# Altium PCB PiMX8MPIO_r0.1.PcbDoc (part 3 of 5)
Units mm, origin at the board's own origin, x right, y up, seen from the top; angles counter-clockwise.
Board outline 55 x 40 mm, 8 copper layers (L1 Top, L2 GND, L3 SIG, L4 GND, L5 (PWR), L6 SIG, L7 GND, L8 SIG), stack 1.624 mm thick; 131 components, 147 nets, 777 pads, 700 vias.
Unrouted connection lines stored in the file: 1.
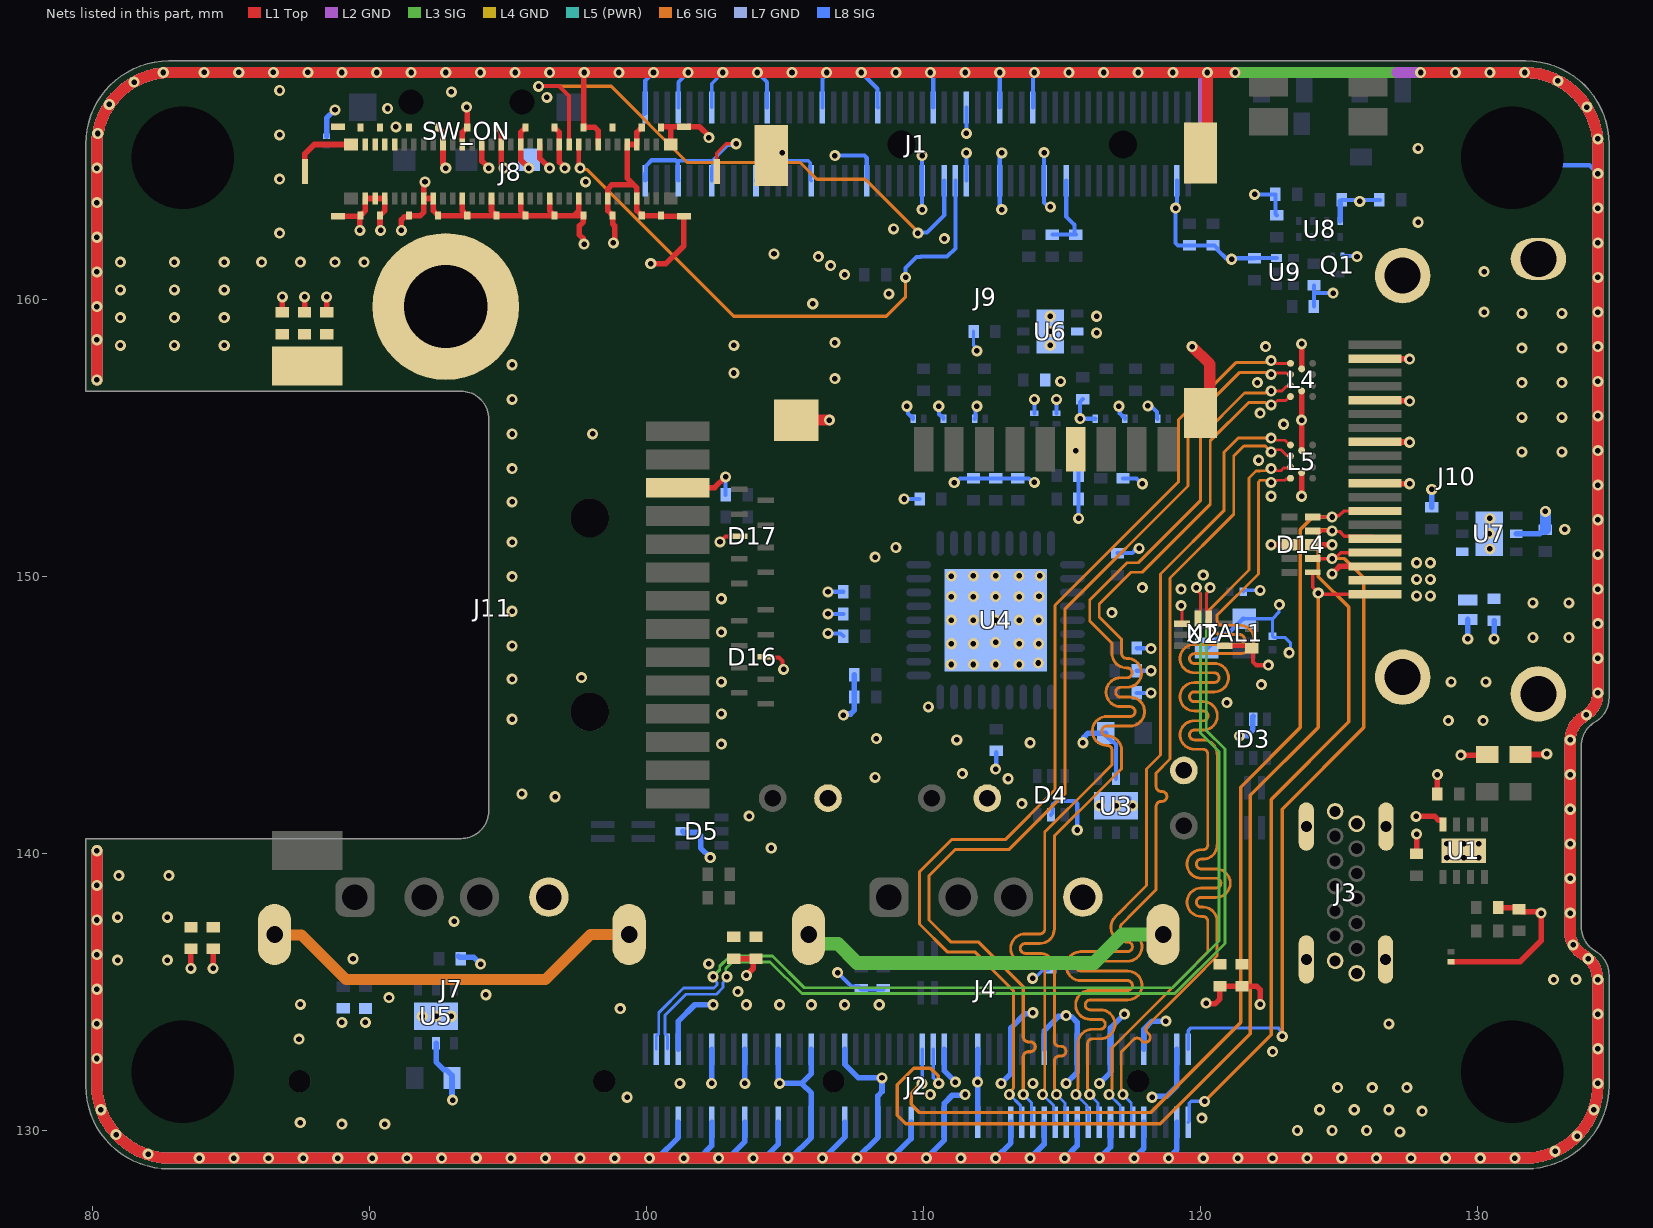
[diagram p9: the nets of this part, all layers, seen from the top]

## Via types
v1: diameter 0.4, hole 0.2, L1 Top to L8 SIG, tented both sides, 700 vias

## Nets (pads, with @x,y where several pads share a name; then routed paths per layer and width w, separated by ;. In a path a pad name is that pad's centre, name@x,y a point inside that pad or via, vN(x,y) a via of type N, cw(c..) or ccw(c..) an arc to the next point about the centre after c; other vN are vias at no path point) (continued)
GND: C1.2 C2.2 C3.2 C4.2 C5.2 C6.2 C7.2 C8.2 C9.2 C10.2 C11.2 C12.2 C13.2 C14.2 C15.2 C16.2 C17.2 C18.2 C19.2 C20.2 C21.2 C22.2 C23.2 C24.2 C25.2 C26.2 C27.2 C28.2 C29.2 C30.2 C31.2 C32.2 C33.2 C34.2 C35.2 C36.2 C37.2 C38.2 C39.2 C40.2 C41.2 C42.2 D1.2 D2.2 D3.5 D4.2 D5.2 D6.2 D7.2 D8.2 D9.2 D10.2 D11.2 D12.2 D13.2 D14.3 D14.8 D15.2 D16.3 D17.3 H1.MT H2.MT H3.MT H4.MT H5.MT J1.1 J1.2 J1.7 J1.8 J1.13 J1.14 J1.22 J1.23 J1.32 J1.33 J1.42 J1.43 J1.52 J1.53 J1.59 J1.60 J1.65 J1.66 J1.71 J1.74 J1.98 J2.7 J2.8 J2.13 J2.14 J2.19 J2.20 J2.25 J2.26 J2.31 J2.32 J2.37 J2.38 J2.44 J2.50 J2.55 J2.56 J2.61 J2.62 J2.67 J2.68 J2.73 J2.74 J2.79 J2.80 J2.85 J2.86 J2.91 J2.92 J2.97 J2.98 J3.A1 J3.A12 J3.B1 J3.B12 J4.4 J7.4 J8.5 J8.6 J8.8 J8.11 J8.14 J8.17 J8.22 J8.23 J8.26 J8.29 J8.30 J8.34 J8.35 J8.38 J8.41 J8.42 J8.46 J8.47 J8.49 J8.56 J8.57 J8.58 J8.59 J8.60 J8.61 J8.62 J8.P2 J8.P4 J8.SHD J9.6 J9.10 J9.11 J9.12 J9.13 J10.2 J10.5 J10.8 J10.11 J10.17 J10.SHD J11.12 L4.B1 L4.B2 L5.B1 L5.B2 Q1.2 R6.1 R7.1 R10.1 R11.1 R12.2 R13.1 R14.2 R15.1 R16.2 R17.1 R18.1 R19.1 R20.1 R21.1 R22.1 R23.1 R25.2 R27.1 R33.1 R35.1 SW_ON.3 U1.8 U1.9 U2.3 U2.8 U3.5 U3.7 U4.37 U5.5 U5.7 U6.5 U6.7 U7.5 U7.7 U8.4 U9.3 XTAL1.2 XTAL1.4 | length 1599.7
  L1 Top w0.12: J8.SHD@102.535,164.621 102.535,165.281 102.876,165.623 v1(103.229,165.623) ; v1(119.3,148.946) 119.332,148.914 U2.3@119.332,148.296
  L1 Top w0.15: v1(102.65,151.246) 102.653,151.246 102.853,151.446 D17.3@103.35,151.446 ; D16.3@104.3,147.096 104.325,147.071 104.775,147.071 104.902,146.944 104.902,146.694 v1(104.95,146.646) ; U2.8@120.868,147.496 121.755,147.496 121.9,147.351 121.9,146.909 122.013,146.796 v1(122.45,146.796)
  L1 Top w0.2: v1(83.55,135.846) C18.2@83.55,136.551 ; v1(84.35,135.846) R25.2@84.35,136.551 ; C40.2@86.8,159.529 86.85,159.579 v1(86.85,160.096) ; C42.2@87.65,159.541 v1(87.65,160.096) ; J8.SHD@87.665,164.621 87.665,165.261 88,165.596 J8.P4@89.325,165.596 ; C41.2@88.45,159.541 v1(88.45,160.096) ; J8.SHD@88.855,163.006 89.615,163.006 J8.SHD@89.647,162.974 ; v1(89.647,162.492) J8.SHD@89.647,162.974 ; v1(90.4,162.496) 90.375,162.521 90.375,163.061 90.385,163.071 90.415,163.071 90.55,163.206 J8.57@90.55,163.646 J8.59@90.2,163.646 J8.61@89.85,163.646 89.85,163.206 89.715,163.071 89.685,163.071 89.675,163.061 J8.SHD@89.675,163.031 89.675,163.001 J8.SHD@89.647,162.974 ; v1(91.15,162.496) 91.15,162.874 91.267,162.991 91.415,162.991 91.425,163.001 J8.SHD@91.425,163.031 91.833,163.031 91.95,163.149 J8.49@91.95,163.646 ; v1(92,164.246) 92,164.192 91.95,164.142 J8.49@91.95,163.646 ; J8.SHD@92.475,166.211 92.475,166.181 92.485,166.171 92.515,166.171 92.65,166.036 92.65,164.901 92.75,164.801 v1(92.75,164.746) ; J8.41@93.35,163.646 93.35,163.206 93.485,163.071 93.515,163.071 93.525,163.061 J8.SHD@93.525,163.031 ; J8.42@93.35,165.596 93.35,166.036 93.485,166.171 93.515,166.171 93.525,166.181 J8.SHD@93.525,166.211 93.525,166.921 v1(93.5,166.946) ; J8.38@94.05,165.596 94.05,164.996 v1(94.3,164.746) ; J8.35@94.4,163.646 94.4,163.206 94.535,163.071 94.565,163.071 94.575,163.061 J8.SHD@94.575,163.031 ; J8.SHD@94.575,166.211 94.575,166.181 94.585,166.171 94.615,166.171 94.75,166.036 J8.34@94.75,165.596 94.75,164.901 94.85,164.801 v1(94.85,164.746) ; J8.29@95.45,163.646 95.45,163.206 95.585,163.071 95.615,163.071 95.625,163.061 J8.SHD@95.625,163.031 ; J8.SHD@95.625,166.211 95.625,166.181 95.615,166.171 95.585,166.171 95.45,166.036 95.45,165.046 v1(95.75,164.746) ; J8.26@96.15,165.596 96.15,165.096 v1(96.5,164.746) ; J8.23@96.5,163.646 96.5,163.206 96.635,163.071 96.665,163.071 96.675,163.061 J8.SHD@96.675,163.031 ; J8.SHD@96.675,166.211 96.675,166.181 96.685,166.171 96.715,166.171 96.85,166.036 J8.22@96.85,165.596 96.85,164.964 97.05,164.764 v1(97.05,164.746) ; J8.17@97.55,163.646 97.55,163.196 97.385,163.031 ; v1(97.744,161.996) 97.705,162.035 97.705,162.204 97.575,162.335 97.575,162.658 97.715,162.798 97.715,163.021 J8.SHD@97.725,163.031 97.385,163.031 ; v1(97.75,168.196) 97.725,168.171 J8.SHD@97.725,166.211 98.133,166.211 98.25,166.094 J8.14@98.25,165.596 ; v1(98.8,162.046) 98.8,162.101 98.845,162.145 98.845,162.658 98.775,162.727 J8.SHD@98.775,163.031 98.775,163.061 98.765,163.071 98.735,163.071 98.6,163.206 J8.11@98.6,163.646 98.6,163.996 98.75,164.146 99.533,164.146 ; J8.SHD@99.825,166.211 99.825,166.181 99.815,166.171 99.785,166.171 99.65,166.036 J8.6@99.65,165.596 J8.8@99.3,165.596 99.3,164.379 99.533,164.146 ; v1(100.15,161.296) 100.7,161.296 101.345,161.941 J8.SHD@101.345,163.006 100.535,163.006 100.525,163.016 J8.SHD@100.525,163.031 J8.SHD@99.825,163.031 99.825,163.061 99.815,163.071 99.785,163.071 99.65,163.206 J8.5@99.65,163.646 99.65,164.029 99.533,164.146 ; J8.SHD@100.525,166.211 100.525,166.226 100.535,166.236 100.875,166.236 ; J8.P2@100.875,165.596 100.875,166.236 ; J11.12@101.13,153.202 101.132,153.204 102.458,153.204 v1(102.85,153.596) ; v1(102.25,165.846) 102.25,165.896 101.91,166.236 100.875,166.236 ; R16.2@103.15,136.201 C13.2@103.95,136.201 103.94,136.201 103.85,136.111 103.85,135.847 v1(103.6,135.596) ; v1@120.205,134.619 120.205,134.565 120.519,134.565 120.701,134.747 R12.2@120.701,135.202 C7.2@121.499,135.202 ; C7.2@121.55,135.201 122.034,135.201 122.152,135.084 v1(122.152,134.546) ; v1(122.55,151.146) D14.8@123.215,151.146 ; v1(123.65,152.896) L5.B2@123.65,153.746 ; L5.B1@123.65,154.546 123.65,154.569 L4.B2@123.65,156.696 ; L4.B1@123.65,157.496 v1(123.65,158.396) ; D14.3@124.05,151.146 v1(124.75,151.146) ; v1(124.75,150.096) 125.016,150.362 J10.17@126.3,150.362 ; J10.11@126.3,153.362 126.308,153.354 127.542,153.354 v1(127.55,153.346) ; J10.8@126.3,154.862 126.308,154.854 127.542,154.854 v1(127.55,154.846) ; J10.5@126.3,156.362 126.316,156.346 127.534,156.346 v1(127.55,156.33) ; J10.2@126.3,157.862 126.308,157.854 127.542,157.854 v1(127.55,157.846) ; v1(127.784,141.335) 128.462,141.335 128.6,141.196 128.725,141.196 128.75,141.171 U1.8@128.75,141.046 ; C5.2@127.8,139.991 v1(127.8,140.696) ; v1(128.55,142.846) 128.555,142.841 R10.1@128.555,142.146 ; D1.2@129.05,136.091 131.545,136.091 132.3,136.846 132.3,137.779 132.183,137.896 131.757,137.896 131.752,137.901 131.59,137.901 R11.1@131.5,137.991 131.445,138.046 C2.2@130.745,138.046 ; v1(129.4,143.546) 130.325,143.546 C4.2@130.35,143.571 ; C3.2@131.55,143.571 132.475,143.571 v1(132.5,143.596) ; J8.49@91.95,163.646 J8.47@92.3,163.646 92.3,163.206 92.435,163.071 92.465,163.071 92.475,163.061 J8.SHD@92.475,163.031 J8.SHD@93.525,163.031 ; J8.SHD@93.525,163.031 J8.SHD@94.575,163.031 ; J8.SHD@94.575,163.031 J8.SHD@95.625,163.031 ; J8.SHD@95.625,163.031 J8.SHD@96.675,163.031 ; J8.SHD@96.675,163.031 97.385,163.031
  L1 Top w0.4: v1(80.15,140.096) v1(80.15,138.846) v1(80.15,137.596) v1(80.15,136.346) v1(80.15,135.096) v1(80.15,133.846) v1(80.15,132.596) 80.15,131.644 ccw(c82.798,131.644) 82.8,128.996 ; v1(80.15,157.096) v1(80.15,158.546) v1@80.15,159.646 ; v1(80.15,159.746) v1(80.15,160.996) v1(80.15,162.246) v1(80.15,163.496) v1(80.15,164.746) 80.15,165.545 cw(c82.798,165.548) 82.798,168.196 v1(89,168.196) v1(90.25,168.196) v1(91.5,168.196) v1(92.75,168.196) v1(94,168.196) v1(95.25,168.196) v1(96.5,168.196) v1(97.75,168.196) v1(99,168.196) v1(100.25,168.196) v1(101.5,168.196) v1(102.75,168.196) v1(104,168.196) v1(105.25,168.196) v1(106.5,168.196) v1(107.75,168.196) v1(109,168.196) v1(110.25,168.196) v1(111.5,168.196) v1(112.75,168.196) v1(114,168.196) v1(115.25,168.196) v1(116.5,168.196) v1(117.75,168.196) v1(119,168.196) v1(120.25,168.196) ; 82.802,128.996 cw(c82.798,131.644) 82.8,128.996 ; v1@91.349,128.996 v1@97.599,128.996 ; J9.11@105.401,155.646 v1(106.6,155.646) ; v1(119.7,158.296) 120.334,157.663 120.334,156.229 J9.10@120.001,155.896 ; J9.12@120.001,165.296 120.25,165.545 v1(120.25,168.196) ; v1(121.25,168.196) v1(120.25,168.196) ; v1@123.849,128.996 105.099,128.996 103.849,128.996 v1@97.599,128.996 ; v1(123.849,129) 123.853,128.996 125.096,128.996 v1(125.099,129) 125.103,128.996 v1@126.3,128.996 ; v1@126.349,128.996 131.702,128.996 ccw(c131.702,131.644) 134.35,131.648 v1(134.35,131.696) v1(134.35,132.946) v1(134.35,134.196) v1(134.35,135.446) 134.35,135.449 134.335,135.464 ccw(c133.335,135.464) 133.835,136.33 cw(c134.335,137.196) 133.35,137.023 v1(133.35,137.846) 133.35,139.096 133.35,140.346 133.349,141.596 133.349,142.846 133.349,144.096 v1@133.349,144.123 ; v1(127.95,168.196) v1(129.2,168.196) v1(130.45,168.196) 131.698,168.196 cw(c131.702,165.548) 134.35,165.548 ; J10.SHD@132.2,161.462 J10.SHD@132.568,161.462 ; v1@133.35,144.08 cw(c134.35,144.08) 133.85,144.946 ccw(c133.35,145.813) v1@134.35,145.813 ; v1@134.35,145.846 v1(134.35,147.046) v1(134.35,148.296) v1(134.35,149.546) v1(134.35,150.796) v1(134.35,152.046) v1(134.35,153.296) v1(134.35,154.546) v1(134.35,155.796) v1(134.35,157.046) v1@134.35,158.245 ; v1(134.35,158.296) v1(134.35,159.546) v1(134.35,160.796) v1(134.35,162.046) v1(134.35,163.296) v1(134.35,164.546) 134.35,165.496 ; 82.8,128.996 v1@97.599,128.996
  L2 GND w0.15: 120.001,165.296 120.001,167.947 v1(120.25,168.196)
  L2 GND w0.4: v1(80.15,140.096) v1(80.15,138.846) v1(80.15,137.596) v1(80.15,136.346) v1(80.15,135.096) v1(80.15,133.846) v1(80.15,132.596) 80.15,131.644 ; v1(80.15,157.096) v1(80.15,158.546) v1@80.15,159.646 ; v1(80.15,159.746) v1(80.15,160.996) v1(80.15,162.246) v1(80.15,163.496) v1(80.15,164.746) 80.15,165.545 ; v1(121.25,168.196) v1(120.25,168.196) v1(119,168.196) v1(117.75,168.196) v1(116.5,168.196) v1(115.25,168.196) v1(114,168.196) v1(112.75,168.196) v1(111.5,168.196) v1(110.25,168.196) v1(109,168.196) v1(107.75,168.196) v1(106.5,168.196) v1(105.25,168.196) v1(104,168.196) v1(102.75,168.196) v1(101.5,168.196) v1(100.25,168.196) v1(99,168.196) v1(97.75,168.196) v1(96.5,168.196) v1(95.25,168.196) v1(94,168.196) v1(92.75,168.196) v1(91.5,168.196) v1(90.25,168.196) v1(89,168.196) 82.798,168.196 ; v1@123.849,128.996 105.099,128.996 103.849,128.996 82.8,128.996 ; v1(123.849,129) 123.853,128.996 125.096,128.996 v1(125.099,129) 125.103,128.996 v1@126.3,128.996 ; v1@126.349,128.996 131.702,128.996 ; 127.1,168.196 v1(127.95,168.196) v1(129.2,168.196) v1(130.45,168.196) v1@131.698,168.196 ; v1@133.349,144.123 133.349,144.096 133.349,142.846 133.349,141.596 133.35,140.346 133.35,139.096 133.35,137.846 133.35,137.023 ; v1@134.35,145.846 v1(134.35,147.046) v1(134.35,148.296) v1(134.35,149.546) v1(134.35,150.796) v1(134.35,152.046) v1(134.35,153.296) v1(134.35,154.546) v1(134.35,155.796) v1(134.35,157.046) v1@134.35,158.245 ; v1(134.35,158.296) v1(134.35,159.546) v1(134.35,160.796) v1(134.35,162.046) v1(134.35,163.296) v1(134.35,164.546) 134.35,165.496 ; 80.15,131.644 ccw(c82.798,131.644) 82.8,128.996 ; 80.15,131.644 ccw(c82.798,131.644) 82.8,128.996 ; 80.15,165.545 cw(c82.798,165.548) 82.798,168.196 ; 80.15,165.545 cw(c82.798,165.548) 82.798,168.196 ; 82.8,128.996 ccw(c82.798,131.644) 82.802,128.996 cw(c82.798,131.644) 82.8,128.996 ; v1@131.698,168.196 cw(c131.702,165.548) 134.35,165.548 ccw(c131.702,165.548) v1@131.698,168.196 ; 131.702,128.996 ccw(c131.702,131.644) v1@134.35,131.648 ; 131.702,128.996 ccw(c131.702,131.644) v1@134.35,131.648 ; 133.35,137.023 ccw(c134.335,137.196) 133.835,136.33 ; 133.35,137.023 ccw(c134.335,137.196) 133.835,136.33 ; 133.835,136.33 cw(c133.335,135.464) v1@134.335,135.464 ; 133.835,136.33 cw(c133.335,135.464) v1@134.335,135.464 ; v1@133.85,144.946 ccw(c134.35,144.08) 133.35,144.08 cw(c134.35,144.08) v1@133.85,144.946 ; v1@133.85,144.946 ccw(c133.35,145.813) 134.35,145.813 cw(c133.35,145.813) v1@133.85,144.946 ; v1@134.335,135.464 134.35,135.449 v1(134.35,135.446) v1(134.35,134.196) v1(134.35,132.946) v1(134.35,131.696) v1@134.35,131.648
  L3 SIG w0.4: v1(80.15,140.096) v1(80.15,138.846) v1(80.15,137.596) v1(80.15,136.346) v1(80.15,135.096) v1(80.15,133.846) v1(80.15,132.596) 80.15,131.644 ccw(c82.798,131.644) 82.8,128.996 ; v1(80.15,157.096) v1(80.15,158.546) v1@80.15,159.646 ; v1(80.15,159.746) v1(80.15,160.996) v1(80.15,162.246) v1(80.15,163.496) v1(80.15,164.746) 80.15,165.545 cw(c82.798,165.548) 82.798,168.196 v1(89,168.196) v1(90.25,168.196) v1(91.5,168.196) v1(92.75,168.196) v1(94,168.196) v1(95.25,168.196) v1(96.5,168.196) v1(97.75,168.196) v1(99,168.196) v1(100.25,168.196) v1(101.5,168.196) v1(102.75,168.196) v1(104,168.196) v1(105.25,168.196) v1(106.5,168.196) v1(107.75,168.196) v1(109,168.196) v1(110.25,168.196) v1(111.5,168.196) v1(112.75,168.196) v1(114,168.196) v1(115.25,168.196) v1(116.5,168.196) v1(117.75,168.196) v1(119,168.196) v1(120.25,168.196) v1(121.25,168.196) v1(127.95,168.196) v1(129.2,168.196) v1(130.45,168.196) 131.698,168.196 cw(c131.702,165.548) 134.35,165.548 ; v1@123.849,128.996 105.099,128.996 103.849,128.996 82.8,128.996 ; v1(123.849,129) 123.853,128.996 125.096,128.996 v1(125.099,129) 125.103,128.996 v1@126.3,128.996 ; v1@126.349,128.996 131.702,128.996 ccw(c131.702,131.644) 134.35,131.648 v1(134.35,131.696) v1(134.35,132.946) v1(134.35,134.196) v1(134.35,135.446) 134.35,135.449 134.335,135.464 ccw(c133.335,135.464) 133.835,136.33 cw(c134.335,137.196) 133.35,137.023 v1(133.35,137.846) 133.35,139.096 133.35,140.346 133.349,141.596 133.349,142.846 133.349,144.096 v1@133.349,144.123 ; J10.SHD@132.2,161.365 J10.SHD@132.2,161.462 ; v1@133.35,144.08 cw(c134.35,144.08) 133.85,144.946 ccw(c133.35,145.813) v1@134.35,145.813 ; v1@134.35,145.846 v1(134.35,147.046) v1(134.35,148.296) v1(134.35,149.546) v1(134.35,150.796) v1(134.35,152.046) v1(134.35,153.296) v1(134.35,154.546) v1(134.35,155.796) v1(134.35,157.046) v1@134.35,158.245 ; v1(134.35,158.296) v1(134.35,159.546) v1(134.35,160.796) v1(134.35,162.046) v1(134.35,163.296) v1(134.35,164.546) 134.35,165.496 ; 82.8,128.996 ccw(c82.798,131.644) 82.802,128.996 cw(c82.798,131.644) 82.8,128.996
  L6 SIG w0.4: v1(80.15,140.096) v1(80.15,138.846) v1(80.15,137.596) v1(80.15,136.346) v1(80.15,135.096) v1(80.15,133.846) v1(80.15,132.596) 80.15,131.644 ccw(c82.798,131.644) 82.8,128.996 ; v1(80.15,157.096) v1(80.15,158.546) v1@80.15,159.646 ; v1(80.15,159.746) v1(80.15,160.996) v1(80.15,162.246) v1(80.15,163.496) v1(80.15,164.746) 80.15,165.545 cw(c82.798,165.548) 82.798,168.196 v1(89,168.196) v1(90.25,168.196) v1(91.5,168.196) v1(92.75,168.196) v1(94,168.196) v1(95.25,168.196) v1(96.5,168.196) v1(97.75,168.196) v1(99,168.196) v1(100.25,168.196) v1(101.5,168.196) v1(102.75,168.196) v1(104,168.196) v1(105.25,168.196) v1(106.5,168.196) v1(107.75,168.196) v1(109,168.196) v1(110.25,168.196) v1(111.5,168.196) v1(112.75,168.196) v1(114,168.196) v1(115.25,168.196) v1(116.5,168.196) v1(117.75,168.196) v1(119,168.196) v1(120.25,168.196) v1(121.25,168.196) v1(127.95,168.196) v1(129.2,168.196) v1(130.45,168.196) 131.698,168.196 cw(c131.702,165.548) 134.35,165.548 ; 82.802,128.996 cw(c82.798,131.644) 82.8,128.996 ; v1@112.599,128.996 v1@105.099,128.996 ; v1@123.849,128.996 v1@105.099,128.996 ; v1(123.849,129) 123.853,128.996 125.096,128.996 v1(125.099,129) 125.103,128.996 v1@126.3,128.996 ; v1@126.349,128.996 131.702,128.996 ccw(c131.702,131.644) 134.35,131.648 v1(134.35,131.696) v1(134.35,132.946) v1(134.35,134.196) v1(134.35,135.446) 134.35,135.449 134.335,135.464 ccw(c133.335,135.464) 133.835,136.33 cw(c134.335,137.196) 133.35,137.023 v1(133.35,137.846) 133.35,139.096 133.35,140.346 133.349,141.596 133.349,142.846 133.349,144.096 v1@133.349,144.123 ; v1@133.35,144.08 cw(c134.35,144.08) 133.85,144.946 ccw(c133.35,145.813) v1@134.35,145.813 ; v1@134.35,145.846 v1(134.35,147.046) v1(134.35,148.296) v1(134.35,149.546) v1(134.35,150.796) v1(134.35,152.046) v1(134.35,153.296) v1(134.35,154.546) v1(134.35,155.796) v1(134.35,157.046) v1@134.35,158.245 ; v1(134.35,158.296) v1(134.35,159.546) v1(134.35,160.796) v1(134.35,162.046) v1(134.35,163.296) v1(134.35,164.546) 134.35,165.496 ; 82.8,128.996 103.849,128.996 v1@105.099,128.996
  L7 GND w0.15: 120.001,165.296 120.001,167.947 v1(120.25,168.196)
  L7 GND w0.4: v1(80.15,140.096) v1(80.15,138.846) v1(80.15,137.596) v1(80.15,136.346) v1(80.15,135.096) v1(80.15,133.846) v1(80.15,132.596) 80.15,131.644 ccw(c82.798,131.644) 82.8,128.996 ; v1(80.15,157.096) v1(80.15,158.546) v1@80.15,159.646 ; v1(80.15,159.746) v1(80.15,160.996) v1(80.15,162.246) v1(80.15,163.496) v1(80.15,164.746) 80.15,165.545 cw(c82.798,165.548) 82.798,168.196 v1(89,168.196) v1(90.25,168.196) v1(91.5,168.196) v1(92.75,168.196) v1(94,168.196) v1(95.25,168.196) v1(96.5,168.196) v1(97.75,168.196) v1(99,168.196) v1(100.25,168.196) v1(101.5,168.196) v1(102.75,168.196) v1(104,168.196) v1(105.25,168.196) v1(106.5,168.196) v1(107.75,168.196) v1(109,168.196) v1(110.25,168.196) v1(111.5,168.196) v1(112.75,168.196) v1(114,168.196) v1(115.25,168.196) v1(116.5,168.196) v1(117.75,168.196) v1(119,168.196) v1(120.25,168.196) v1(121.25,168.196) ; 82.802,128.996 cw(c82.798,131.644) 82.8,128.996 ; v1@83.849,128.996 82.8,128.996 ; v1@86.349,128.996 v1@87.599,128.996 ; v1@123.849,128.996 105.099,128.996 103.849,128.996 v1@87.599,128.996 ; v1(123.849,129) 123.853,128.996 125.096,128.996 v1(125.099,129) 125.103,128.996 v1@126.3,128.996 ; v1@126.349,128.996 131.702,128.996 ; 127.1,168.196 v1(127.95,168.196) v1(129.2,168.196) v1(130.45,168.196) 131.698,168.196 cw(c131.702,165.548) 134.35,165.548 ; v1@131.349,128.996 131.702,128.996 ; v1@133.349,144.123 133.349,144.096 133.349,142.846 133.349,141.596 133.35,140.346 133.35,139.096 133.35,137.846 133.35,137.023 ccw(c134.335,137.196) 133.835,136.33 cw(c133.335,135.464) 134.335,135.464 134.35,135.449 v1(134.35,135.446) v1(134.35,134.196) v1(134.35,132.946) v1(134.35,131.696) 134.35,131.648 cw(c131.702,131.644) 131.702,128.996 ; v1@133.35,144.08 cw(c134.35,144.08) 133.85,144.946 ccw(c133.35,145.813) v1@134.35,145.813 ; v1@134.35,145.846 v1(134.35,147.046) v1(134.35,148.296) v1(134.35,149.546) v1(134.35,150.796) v1(134.35,152.046) v1(134.35,153.296) v1(134.35,154.546) v1(134.35,155.796) v1(134.35,157.046) v1@134.35,158.245 ; v1(134.35,158.296) v1(134.35,159.546) v1(134.35,160.796) v1(134.35,162.046) v1(134.35,163.296) v1(134.35,164.546) 134.35,165.496 ; 82.8,128.996 v1@87.599,128.996
  L4 GND w0.15: 120.001,165.296 120.001,167.947 v1(120.25,168.196)
  L4 GND w0.4: v1(80.15,140.096) v1(80.15,138.846) v1(80.15,137.596) v1(80.15,136.346) v1(80.15,135.096) v1(80.15,133.846) v1(80.15,132.596) 80.15,131.644 ccw(c82.798,131.644) 82.8,128.996 ; v1(80.15,157.096) v1(80.15,158.546) v1@80.15,159.646 ; v1(80.15,159.746) v1(80.15,160.996) v1(80.15,162.246) v1(80.15,163.496) v1(80.15,164.746) 80.15,165.545 cw(c82.798,165.548) 82.798,168.196 v1(89,168.196) v1(90.25,168.196) v1(91.5,168.196) v1(92.75,168.196) v1(94,168.196) v1(95.25,168.196) v1(96.5,168.196) v1(97.75,168.196) v1(99,168.196) v1(100.25,168.196) v1(101.5,168.196) v1(102.75,168.196) v1(104,168.196) v1(105.25,168.196) v1(106.5,168.196) v1(107.75,168.196) v1(109,168.196) v1(110.25,168.196) v1(111.5,168.196) v1(112.75,168.196) v1(114,168.196) v1(115.25,168.196) v1(116.5,168.196) v1(117.75,168.196) v1(119,168.196) v1(120.25,168.196) v1(121.25,168.196) ; 82.802,128.996 cw(c82.798,131.644) 82.8,128.996 ; v1@85.099,128.996 82.8,128.996 ; v1@90.099,128.996 v1@91.349,128.996 ; v1@123.849,128.996 105.099,128.996 103.849,128.996 v1@91.349,128.996 ; v1(123.849,129) 123.853,128.996 125.096,128.996 v1(125.099,129) 125.103,128.996 v1@126.3,128.996 ; v1@126.349,128.996 131.702,128.996 ccw(c131.702,131.644) 134.35,131.648 v1(134.35,131.696) v1(134.35,132.946) v1(134.35,134.196) v1(134.35,135.446) 134.35,135.449 134.335,135.464 ccw(c133.335,135.464) 133.835,136.33 cw(c134.335,137.196) 133.35,137.023 v1(133.35,137.846) 133.35,139.096 133.35,140.346 133.349,141.596 133.349,142.846 133.349,144.096 v1@133.349,144.123 ; 127.1,168.196 v1(127.95,168.196) v1(129.2,168.196) v1(130.45,168.196) 131.698,168.196 cw(c131.702,165.548) 134.35,165.548 ; v1@133.35,144.08 cw(c134.35,144.08) 133.85,144.946 ccw(c133.35,145.813) v1@134.35,145.813 ; v1@134.35,145.846 v1(134.35,147.046) v1(134.35,148.296) v1(134.35,149.546) v1(134.35,150.796) v1(134.35,152.046) v1(134.35,153.296) v1(134.35,154.546) v1(134.35,155.796) v1(134.35,157.046) v1@134.35,158.245 ; v1(134.35,158.296) v1(134.35,159.546) v1(134.35,160.796) v1(134.35,162.046) v1(134.35,163.296) v1(134.35,164.546) 134.35,165.496 ; 82.8,128.996 v1@91.349,128.996
  L5 (PWR) w0.4: v1(80.15,140.096) v1(80.15,138.846) v1(80.15,137.596) v1(80.15,136.346) v1(80.15,135.096) v1(80.15,133.846) v1(80.15,132.596) 80.15,131.644 ccw(c82.798,131.644) 82.8,128.996 ; v1(80.15,157.096) v1(80.15,158.546) v1@80.15,159.646 ; v1(80.15,159.746) v1(80.15,160.996) v1(80.15,162.246) v1(80.15,163.496) v1(80.15,164.746) 80.15,165.545 cw(c82.798,165.548) 82.798,168.196 v1(89,168.196) v1(90.25,168.196) v1(91.5,168.196) v1(92.75,168.196) v1(94,168.196) v1(95.25,168.196) v1(96.5,168.196) v1(97.75,168.196) v1(99,168.196) v1(100.25,168.196) v1(101.5,168.196) v1(102.75,168.196) v1(104,168.196) v1(105.25,168.196) v1(106.5,168.196) v1(107.75,168.196) v1(109,168.196) v1(110.25,168.196) v1(111.5,168.196) v1(112.75,168.196) v1(114,168.196) v1(115.25,168.196) v1(116.5,168.196) v1(117.75,168.196) v1(119,168.196) v1(120.25,168.196) v1(121.25,168.196) v1(127.95,168.196) v1(129.2,168.196) v1(130.45,168.196) 131.698,168.196 cw(c131.702,165.548) 134.35,165.548 ; 82.802,128.996 cw(c82.798,131.644) 82.8,128.996 ; v1@85.099,128.996 82.8,128.996 ; v1@91.349,128.996 82.8,128.996 ; v1@93.849,128.996 v1@95.099,128.996 ; v1@123.849,128.996 105.099,128.996 103.849,128.996 v1@95.099,128.996 ; v1(123.849,129) 123.853,128.996 125.096,128.996 v1(125.099,129) 125.103,128.996 v1@126.3,128.996 ; v1@126.349,128.996 131.702,128.996 ccw(c131.702,131.644) 134.35,131.648 v1(134.35,131.696) v1(134.35,132.946) v1(134.35,134.196) v1(134.35,135.446) 134.35,135.449 134.335,135.464 ccw(c133.335,135.464) 133.835,136.33 cw(c134.335,137.196) 133.35,137.023 v1(133.35,137.846) 133.35,139.096 133.35,140.346 133.349,141.596 133.349,142.846 133.349,144.096 v1@133.349,144.123 ; v1@133.35,144.08 cw(c134.35,144.08) 133.85,144.946 ccw(c133.35,145.813) v1@134.35,145.813 ; v1@134.35,145.846 v1(134.35,147.046) v1(134.35,148.296) v1(134.35,149.546) v1(134.35,150.796) v1(134.35,152.046) v1(134.35,153.296) v1(134.35,154.546) v1(134.35,155.796) v1(134.35,157.046) v1@134.35,158.245 ; v1(134.35,158.296) v1(134.35,159.546) v1(134.35,160.796) v1(134.35,162.046) v1(134.35,163.296) v1(134.35,164.546) 134.35,165.496 ; 82.8,128.996 v1@95.099,128.996